# Altium PCB higgs.PcbDoc (part 2 of 25) (continued)
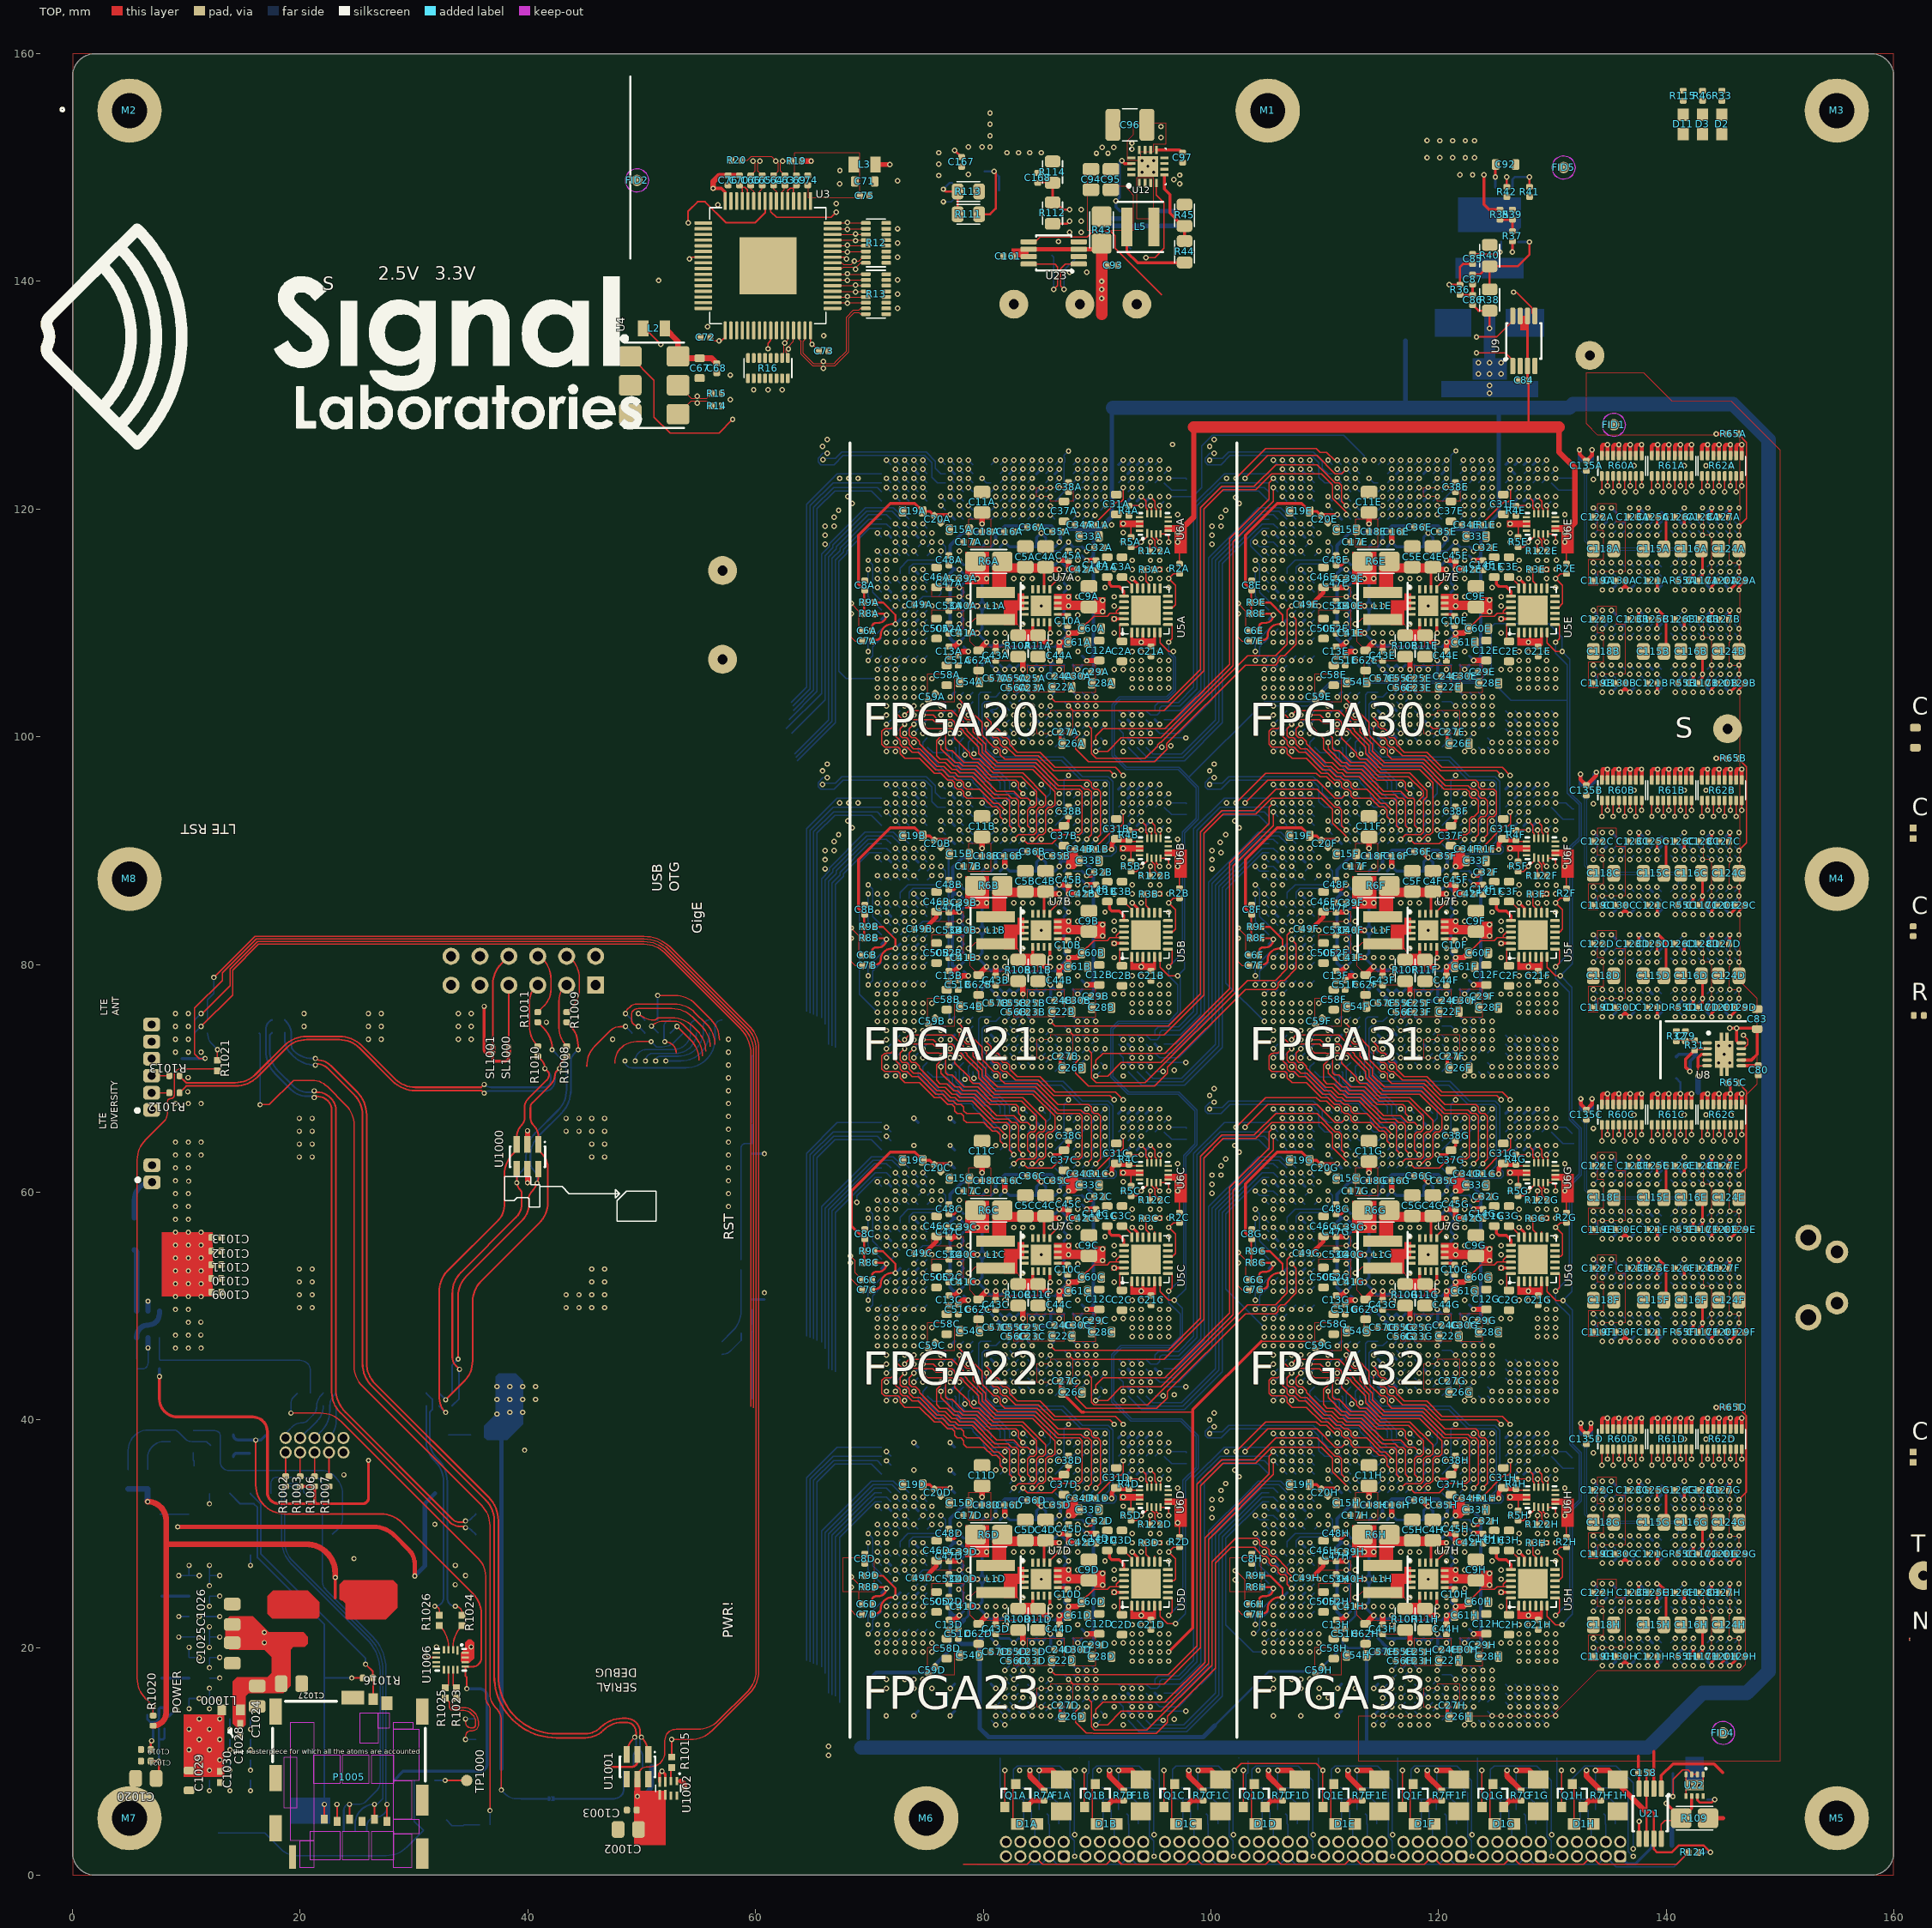
[diagram p0: TOP view]
## Classes and differential pairs (continued)
differential pair IL07_32.LR.G2.D3: +IL07_32.LR.G2.D3_P -IL07_32.LR.G2.D3_N
differential pair IL07_32.LR.G2.D4: +IL07_32.LR.G2.D4_P -IL07_32.LR.G2.D4_N
differential pair IL07_32.LR.G2.S: +IL07_32.LR.G2.S_P -IL07_32.LR.G2.S_N
differential pair IL07_32.LR.G3.D0: +IL07_32.LR.G3.D0_P -IL07_32.LR.G3.D0_N
differential pair IL07_32.LR.G3.D1: +IL07_32.LR.G3.D1_P -IL07_32.LR.G3.D1_N
differential pair IL07_32.LR.G3.D2: +IL07_32.LR.G3.D2_P -IL07_32.LR.G3.D2_N
differential pair IL07_32.LR.G3.D3: +IL07_32.LR.G3.D3_P -IL07_32.LR.G3.D3_N
differential pair IL07_32.LR.G3.D4: +IL07_32.LR.G3.D4_P -IL07_32.LR.G3.D4_N
differential pair IL07_32.LR.G3.S: +IL07_32.LR.G3.S_P -IL07_32.LR.G3.S_N
differential pair IL07_32.TB.G8.D0: +IL07_32.TB.G8.D0_P -IL07_32.TB.G8.D0_N
differential pair IL07_32.TB.G8.D1: +IL07_32.TB.G8.D1_P -IL07_32.TB.G8.D1_N
differential pair IL07_32.TB.G8.D2: +IL07_32.TB.G8.D2_P -IL07_32.TB.G8.D2_N
differential pair IL07_32.TB.G8.D3: +IL07_32.TB.G8.D3_P -IL07_32.TB.G8.D3_N
differential pair IL07_32.TB.G13.C: +IL07_32.TB.G13.C_P -IL07_32.TB.G13.C_N
differential pair IL07_32.TB.G13.D0: +IL07_32.TB.G13.D0_P -IL07_32.TB.G13.D0_N
differential pair IL07_32.TB.G13.D1: +IL07_32.TB.G13.D1_P -IL07_32.TB.G13.D1_N
differential pair IL07_32.TB.G13.D2: +IL07_32.TB.G13.D2_P -IL07_32.TB.G13.D2_N
differential pair IL07_32.TB.G13.D3: +IL07_32.TB.G13.D3_P -IL07_32.TB.G13.D3_N
differential pair IL07_32.TB.G13.D4: +IL07_32.TB.G13.D4_P -IL07_32.TB.G13.D4_N
differential pair IL07_32.TB.G13.D5: +IL07_32.TB.G13.D5_P -IL07_32.TB.G13.D5_N
differential pair IL07_33.LR.G0.D0: +IL07_33.LR.G0.D0_P -IL07_33.LR.G0.D0_N
differential pair IL07_33.LR.G0.D1: +IL07_33.LR.G0.D1_P -IL07_33.LR.G0.D1_N
differential pair IL07_33.LR.G0.D2: +IL07_33.LR.G0.D2_P -IL07_33.LR.G0.D2_N
differential pair IL07_33.LR.G0.D3: +IL07_33.LR.G0.D3_P -IL07_33.LR.G0.D3_N
differential pair IL07_33.LR.G0.D4: +IL07_33.LR.G0.D4_P -IL07_33.LR.G0.D4_N
differential pair IL07_33.LR.G0.S: +IL07_33.LR.G0.S_P -IL07_33.LR.G0.S_N
differential pair IL07_33.LR.G1.D0: +IL07_33.LR.G1.D0_P -IL07_33.LR.G1.D0_N
differential pair IL07_33.LR.G1.D1: +IL07_33.LR.G1.D1_P -IL07_33.LR.G1.D1_N
differential pair IL07_33.LR.G1.D2: +IL07_33.LR.G1.D2_P -IL07_33.LR.G1.D2_N
differential pair IL07_33.LR.G1.D3: +IL07_33.LR.G1.D3_P -IL07_33.LR.G1.D3_N
differential pair IL07_33.LR.G1.D4: +IL07_33.LR.G1.D4_P -IL07_33.LR.G1.D4_N
differential pair IL07_33.LR.G1.S: +IL07_33.LR.G1.S_P -IL07_33.LR.G1.S_N
differential pair IL07_33.LR.G2.D0: +IL07_33.LR.G2.D0_P -IL07_33.LR.G2.D0_N
differential pair IL07_33.LR.G2.D1: +IL07_33.LR.G2.D1_P -IL07_33.LR.G2.D1_N
differential pair IL07_33.LR.G2.D2: +IL07_33.LR.G2.D2_P -IL07_33.LR.G2.D2_N
differential pair IL07_33.LR.G2.D3: +IL07_33.LR.G2.D3_P -IL07_33.LR.G2.D3_N
differential pair IL07_33.LR.G2.D4: +IL07_33.LR.G2.D4_P -IL07_33.LR.G2.D4_N
differential pair IL07_33.LR.G2.S: +IL07_33.LR.G2.S_P -IL07_33.LR.G2.S_N
differential pair IL07_33.LR.G3.D0: +IL07_33.LR.G3.D0_P -IL07_33.LR.G3.D0_N
differential pair IL07_33.LR.G3.D1: +IL07_33.LR.G3.D1_P -IL07_33.LR.G3.D1_N
differential pair IL07_33.LR.G3.D2: +IL07_33.LR.G3.D2_P -IL07_33.LR.G3.D2_N
differential pair IL07_33.LR.G3.D3: +IL07_33.LR.G3.D3_P -IL07_33.LR.G3.D3_N
differential pair IL07_33.LR.G3.D4: +IL07_33.LR.G3.D4_P -IL07_33.LR.G3.D4_N
differential pair IL07_33.LR.G3.S: +IL07_33.LR.G3.S_P -IL07_33.LR.G3.S_N
differential pair IL07_33.TB.G8.D0: +IL07_33.TB.G8.D0_P -IL07_33.TB.G8.D0_N
differential pair IL07_33.TB.G8.D1: +IL07_33.TB.G8.D1_P -IL07_33.TB.G8.D1_N
differential pair IL07_33.TB.G8.D2: +IL07_33.TB.G8.D2_P -IL07_33.TB.G8.D2_N
differential pair IL07_33.TB.G8.D3: +IL07_33.TB.G8.D3_P -IL07_33.TB.G8.D3_N
differential pair IL07_33.TB.G13.C: +IL07_33.TB.G13.C_P -IL07_33.TB.G13.C_N
differential pair IL07_33.TB.G13.D0: +IL07_33.TB.G13.D0_P -IL07_33.TB.G13.D0_N
differential pair IL07_33.TB.G13.D1: +IL07_33.TB.G13.D1_P -IL07_33.TB.G13.D1_N
differential pair IL07_33.TB.G13.D2: +IL07_33.TB.G13.D2_P -IL07_33.TB.G13.D2_N
differential pair IL07_33.TB.G13.D3: +IL07_33.TB.G13.D3_P -IL07_33.TB.G13.D3_N
differential pair IL07_33.TB.G13.D4: +IL07_33.TB.G13.D4_P -IL07_33.TB.G13.D4_N
differential pair IL07_33.TB.G13.D5: +IL07_33.TB.G13.D5_P -IL07_33.TB.G13.D5_N
differential pair IL12_20.LR.G0.D0: +IL12_20.LR.G0.D0_P -IL12_20.LR.G0.D0_N
differential pair IL12_20.LR.G0.D1: +IL12_20.LR.G0.D1_P -IL12_20.LR.G0.D1_N
differential pair IL12_20.LR.G0.D2: +IL12_20.LR.G0.D2_P -IL12_20.LR.G0.D2_N
differential pair IL12_20.LR.G0.D3: +IL12_20.LR.G0.D3_P -IL12_20.LR.G0.D3_N
differential pair IL12_20.LR.G0.D4: +IL12_20.LR.G0.D4_P -IL12_20.LR.G0.D4_N
differential pair IL12_20.LR.G0.S: +IL12_20.LR.G0.S_P -IL12_20.LR.G0.S_N
differential pair IL12_20.LR.G1.D0: +IL12_20.LR.G1.D0_P -IL12_20.LR.G1.D0_N
differential pair IL12_20.LR.G1.D1: +IL12_20.LR.G1.D1_P -IL12_20.LR.G1.D1_N
differential pair IL12_20.LR.G1.D2: +IL12_20.LR.G1.D2_P -IL12_20.LR.G1.D2_N
differential pair IL12_20.LR.G1.D3: +IL12_20.LR.G1.D3_P -IL12_20.LR.G1.D3_N
differential pair IL12_20.LR.G1.D4: +IL12_20.LR.G1.D4_P -IL12_20.LR.G1.D4_N
differential pair IL12_20.LR.G1.S: +IL12_20.LR.G1.S_P -IL12_20.LR.G1.S_N
differential pair IL12_20.LR.G2.D0: +IL12_20.LR.G2.D0_P -IL12_20.LR.G2.D0_N
differential pair IL12_20.LR.G2.D1: +IL12_20.LR.G2.D1_P -IL12_20.LR.G2.D1_N
differential pair IL12_20.LR.G2.D2: +IL12_20.LR.G2.D2_P -IL12_20.LR.G2.D2_N
differential pair IL12_20.LR.G2.D3: +IL12_20.LR.G2.D3_P -IL12_20.LR.G2.D3_N
differential pair IL12_20.LR.G2.D4: +IL12_20.LR.G2.D4_P -IL12_20.LR.G2.D4_N
differential pair IL12_20.LR.G2.S: +IL12_20.LR.G2.S_P -IL12_20.LR.G2.S_N
differential pair IL12_20.LR.G3.D0: +IL12_20.LR.G3.D0_P -IL12_20.LR.G3.D0_N
differential pair IL12_20.LR.G3.D1: +IL12_20.LR.G3.D1_P -IL12_20.LR.G3.D1_N
differential pair IL12_20.LR.G3.D2: +IL12_20.LR.G3.D2_P -IL12_20.LR.G3.D2_N
differential pair IL12_20.LR.G3.D3: +IL12_20.LR.G3.D3_P -IL12_20.LR.G3.D3_N
differential pair IL12_20.LR.G3.D4: +IL12_20.LR.G3.D4_P -IL12_20.LR.G3.D4_N
differential pair IL12_20.LR.G3.S: +IL12_20.LR.G3.S_P -IL12_20.LR.G3.S_N
differential pair IL12_20.TB.G8.D0: +IL12_20.TB.G8.D0_P -IL12_20.TB.G8.D0_N
differential pair IL12_20.TB.G8.D1: +IL12_20.TB.G8.D1_P -IL12_20.TB.G8.D1_N
differential pair IL12_20.TB.G8.D2: +IL12_20.TB.G8.D2_P -IL12_20.TB.G8.D2_N
differential pair IL12_20.TB.G8.D3: +IL12_20.TB.G8.D3_P -IL12_20.TB.G8.D3_N
differential pair IL12_20.TB.G13.C: +IL12_20.TB.G13.C_P -IL12_20.TB.G13.C_N
differential pair IL12_20.TB.G13.D0: +IL12_20.TB.G13.D0_P -IL12_20.TB.G13.D0_N
differential pair IL12_20.TB.G13.D1: +IL12_20.TB.G13.D1_P -IL12_20.TB.G13.D1_N
differential pair IL12_20.TB.G13.D2: +IL12_20.TB.G13.D2_P -IL12_20.TB.G13.D2_N
differential pair IL12_20.TB.G13.D3: +IL12_20.TB.G13.D3_P -IL12_20.TB.G13.D3_N
differential pair IL12_20.TB.G13.D4: +IL12_20.TB.G13.D4_P -IL12_20.TB.G13.D4_N
differential pair IL12_20.TB.G13.D5: +IL12_20.TB.G13.D5_P -IL12_20.TB.G13.D5_N
differential pair IL12_21.LR.G0.D0: +IL12_21.LR.G0.D0_P -IL12_21.LR.G0.D0_N
differential pair IL12_21.LR.G0.D1: +IL12_21.LR.G0.D1_P -IL12_21.LR.G0.D1_N
differential pair IL12_21.LR.G0.D2: +IL12_21.LR.G0.D2_P -IL12_21.LR.G0.D2_N
differential pair IL12_21.LR.G0.D3: +IL12_21.LR.G0.D3_P -IL12_21.LR.G0.D3_N
differential pair IL12_21.LR.G0.D4: +IL12_21.LR.G0.D4_P -IL12_21.LR.G0.D4_N
differential pair IL12_21.LR.G0.S: +IL12_21.LR.G0.S_P -IL12_21.LR.G0.S_N
differential pair IL12_21.LR.G1.D0: +IL12_21.LR.G1.D0_P -IL12_21.LR.G1.D0_N
differential pair IL12_21.LR.G1.D1: +IL12_21.LR.G1.D1_P -IL12_21.LR.G1.D1_N
differential pair IL12_21.LR.G1.D2: +IL12_21.LR.G1.D2_P -IL12_21.LR.G1.D2_N
differential pair IL12_21.LR.G1.D3: +IL12_21.LR.G1.D3_P -IL12_21.LR.G1.D3_N
differential pair IL12_21.LR.G1.D4: +IL12_21.LR.G1.D4_P -IL12_21.LR.G1.D4_N
differential pair IL12_21.LR.G1.S: +IL12_21.LR.G1.S_P -IL12_21.LR.G1.S_N
differential pair IL12_21.LR.G2.D0: +IL12_21.LR.G2.D0_P -IL12_21.LR.G2.D0_N
differential pair IL12_21.LR.G2.D1: +IL12_21.LR.G2.D1_P -IL12_21.LR.G2.D1_N
differential pair IL12_21.LR.G2.D2: +IL12_21.LR.G2.D2_P -IL12_21.LR.G2.D2_N
differential pair IL12_21.LR.G2.D3: +IL12_21.LR.G2.D3_P -IL12_21.LR.G2.D3_N
differential pair IL12_21.LR.G2.D4: +IL12_21.LR.G2.D4_P -IL12_21.LR.G2.D4_N
differential pair IL12_21.LR.G2.S: +IL12_21.LR.G2.S_P -IL12_21.LR.G2.S_N
differential pair IL12_21.LR.G3.D0: +IL12_21.LR.G3.D0_P -IL12_21.LR.G3.D0_N
differential pair IL12_21.LR.G3.D1: +IL12_21.LR.G3.D1_P -IL12_21.LR.G3.D1_N
differential pair IL12_21.LR.G3.D2: +IL12_21.LR.G3.D2_P -IL12_21.LR.G3.D2_N
differential pair IL12_21.LR.G3.D3: +IL12_21.LR.G3.D3_P -IL12_21.LR.G3.D3_N
differential pair IL12_21.LR.G3.D4: +IL12_21.LR.G3.D4_P -IL12_21.LR.G3.D4_N
differential pair IL12_21.LR.G3.S: +IL12_21.LR.G3.S_P -IL12_21.LR.G3.S_N
differential pair IL12_21.TB.G8.D0: +IL12_21.TB.G8.D0_P -IL12_21.TB.G8.D0_N
differential pair IL12_21.TB.G8.D1: +IL12_21.TB.G8.D1_P -IL12_21.TB.G8.D1_N
differential pair IL12_21.TB.G8.D2: +IL12_21.TB.G8.D2_P -IL12_21.TB.G8.D2_N
differential pair IL12_21.TB.G8.D3: +IL12_21.TB.G8.D3_P -IL12_21.TB.G8.D3_N
differential pair IL12_21.TB.G13.C: +IL12_21.TB.G13.C_P -IL12_21.TB.G13.C_N
differential pair IL12_21.TB.G13.D0: +IL12_21.TB.G13.D0_P -IL12_21.TB.G13.D0_N
differential pair IL12_21.TB.G13.D1: +IL12_21.TB.G13.D1_P -IL12_21.TB.G13.D1_N
differential pair IL12_21.TB.G13.D2: +IL12_21.TB.G13.D2_P -IL12_21.TB.G13.D2_N
differential pair IL12_21.TB.G13.D3: +IL12_21.TB.G13.D3_P -IL12_21.TB.G13.D3_N
differential pair IL12_21.TB.G13.D4: +IL12_21.TB.G13.D4_P -IL12_21.TB.G13.D4_N
differential pair IL12_21.TB.G13.D5: +IL12_21.TB.G13.D5_P -IL12_21.TB.G13.D5_N
differential pair IL12_22.LR.G0.D0: +IL12_22.LR.G0.D0_P -IL12_22.LR.G0.D0_N
differential pair IL12_22.LR.G0.D1: +IL12_22.LR.G0.D1_P -IL12_22.LR.G0.D1_N
differential pair IL12_22.LR.G0.D2: +IL12_22.LR.G0.D2_P -IL12_22.LR.G0.D2_N
differential pair IL12_22.LR.G0.D3: +IL12_22.LR.G0.D3_P -IL12_22.LR.G0.D3_N
differential pair IL12_22.LR.G0.D4: +IL12_22.LR.G0.D4_P -IL12_22.LR.G0.D4_N
differential pair IL12_22.LR.G0.S: +IL12_22.LR.G0.S_P -IL12_22.LR.G0.S_N
differential pair IL12_22.LR.G1.D0: +IL12_22.LR.G1.D0_P -IL12_22.LR.G1.D0_N
differential pair IL12_22.LR.G1.D1: +IL12_22.LR.G1.D1_P -IL12_22.LR.G1.D1_N
differential pair IL12_22.LR.G1.D2: +IL12_22.LR.G1.D2_P -IL12_22.LR.G1.D2_N
differential pair IL12_22.LR.G1.D3: +IL12_22.LR.G1.D3_P -IL12_22.LR.G1.D3_N
differential pair IL12_22.LR.G1.D4: +IL12_22.LR.G1.D4_P -IL12_22.LR.G1.D4_N
differential pair IL12_22.LR.G1.S: +IL12_22.LR.G1.S_P -IL12_22.LR.G1.S_N
differential pair IL12_22.LR.G2.D0: +IL12_22.LR.G2.D0_P -IL12_22.LR.G2.D0_N
differential pair IL12_22.LR.G2.D1: +IL12_22.LR.G2.D1_P -IL12_22.LR.G2.D1_N
differential pair IL12_22.LR.G2.D2: +IL12_22.LR.G2.D2_P -IL12_22.LR.G2.D2_N
differential pair IL12_22.LR.G2.D3: +IL12_22.LR.G2.D3_P -IL12_22.LR.G2.D3_N
differential pair IL12_22.LR.G2.D4: +IL12_22.LR.G2.D4_P -IL12_22.LR.G2.D4_N
differential pair IL12_22.LR.G2.S: +IL12_22.LR.G2.S_P -IL12_22.LR.G2.S_N
differential pair IL12_22.LR.G3.D0: +IL12_22.LR.G3.D0_P -IL12_22.LR.G3.D0_N
differential pair IL12_22.LR.G3.D1: +IL12_22.LR.G3.D1_P -IL12_22.LR.G3.D1_N
differential pair IL12_22.LR.G3.D2: +IL12_22.LR.G3.D2_P -IL12_22.LR.G3.D2_N
differential pair IL12_22.LR.G3.D3: +IL12_22.LR.G3.D3_P -IL12_22.LR.G3.D3_N
differential pair IL12_22.LR.G3.D4: +IL12_22.LR.G3.D4_P -IL12_22.LR.G3.D4_N
differential pair IL12_22.LR.G3.S: +IL12_22.LR.G3.S_P -IL12_22.LR.G3.S_N
differential pair IL12_22.TB.G8.D0: +IL12_22.TB.G8.D0_P -IL12_22.TB.G8.D0_N
differential pair IL12_22.TB.G8.D1: +IL12_22.TB.G8.D1_P -IL12_22.TB.G8.D1_N
differential pair IL12_22.TB.G8.D2: +IL12_22.TB.G8.D2_P -IL12_22.TB.G8.D2_N
differential pair IL12_22.TB.G8.D3: +IL12_22.TB.G8.D3_P -IL12_22.TB.G8.D3_N
differential pair IL12_22.TB.G13.C: +IL12_22.TB.G13.C_P -IL12_22.TB.G13.C_N
differential pair IL12_22.TB.G13.D0: +IL12_22.TB.G13.D0_P -IL12_22.TB.G13.D0_N
differential pair IL12_22.TB.G13.D1: +IL12_22.TB.G13.D1_P -IL12_22.TB.G13.D1_N
differential pair IL12_22.TB.G13.D2: +IL12_22.TB.G13.D2_P -IL12_22.TB.G13.D2_N
differential pair IL12_22.TB.G13.D3: +IL12_22.TB.G13.D3_P -IL12_22.TB.G13.D3_N
differential pair IL12_22.TB.G13.D4: +IL12_22.TB.G13.D4_P -IL12_22.TB.G13.D4_N
differential pair IL12_22.TB.G13.D5: +IL12_22.TB.G13.D5_P -IL12_22.TB.G13.D5_N
differential pair IL12_30.LR.G0.D0: +IL12_30.LR.G0.D0_P -IL12_30.LR.G0.D0_N
differential pair IL12_30.LR.G0.D1: +IL12_30.LR.G0.D1_P -IL12_30.LR.G0.D1_N
differential pair IL12_30.LR.G0.D2: +IL12_30.LR.G0.D2_P -IL12_30.LR.G0.D2_N
differential pair IL12_30.LR.G0.D3: +IL12_30.LR.G0.D3_P -IL12_30.LR.G0.D3_N
differential pair IL12_30.LR.G0.D4: +IL12_30.LR.G0.D4_P -IL12_30.LR.G0.D4_N
differential pair IL12_30.LR.G0.S: +IL12_30.LR.G0.S_P -IL12_30.LR.G0.S_N
differential pair IL12_30.LR.G1.D0: +IL12_30.LR.G1.D0_P -IL12_30.LR.G1.D0_N
differential pair IL12_30.LR.G1.D1: +IL12_30.LR.G1.D1_P -IL12_30.LR.G1.D1_N
differential pair IL12_30.LR.G1.D2: +IL12_30.LR.G1.D2_P -IL12_30.LR.G1.D2_N
differential pair IL12_30.LR.G1.D3: +IL12_30.LR.G1.D3_P -IL12_30.LR.G1.D3_N
differential pair IL12_30.LR.G1.D4: +IL12_30.LR.G1.D4_P -IL12_30.LR.G1.D4_N
differential pair IL12_30.LR.G1.S: +IL12_30.LR.G1.S_P -IL12_30.LR.G1.S_N
differential pair IL12_30.LR.G2.D0: +IL12_30.LR.G2.D0_P -IL12_30.LR.G2.D0_N
differential pair IL12_30.LR.G2.D1: +IL12_30.LR.G2.D1_P -IL12_30.LR.G2.D1_N
differential pair IL12_30.LR.G2.D2: +IL12_30.LR.G2.D2_P -IL12_30.LR.G2.D2_N
differential pair IL12_30.LR.G2.D3: +IL12_30.LR.G2.D3_P -IL12_30.LR.G2.D3_N
differential pair IL12_30.LR.G2.D4: +IL12_30.LR.G2.D4_P -IL12_30.LR.G2.D4_N
differential pair IL12_30.LR.G2.S: +IL12_30.LR.G2.S_P -IL12_30.LR.G2.S_N
differential pair IL12_30.LR.G3.D0: +IL12_30.LR.G3.D0_P -IL12_30.LR.G3.D0_N
differential pair IL12_30.LR.G3.D1: +IL12_30.LR.G3.D1_P -IL12_30.LR.G3.D1_N
differential pair IL12_30.LR.G3.D2: +IL12_30.LR.G3.D2_P -IL12_30.LR.G3.D2_N
differential pair IL12_30.LR.G3.D3: +IL12_30.LR.G3.D3_P -IL12_30.LR.G3.D3_N
differential pair IL12_30.LR.G3.D4: +IL12_30.LR.G3.D4_P -IL12_30.LR.G3.D4_N
differential pair IL12_30.LR.G3.S: +IL12_30.LR.G3.S_P -IL12_30.LR.G3.S_N
differential pair IL12_30.TB.G8.D0: +IL12_30.TB.G8.D0_P -IL12_30.TB.G8.D0_N
differential pair IL12_30.TB.G8.D1: +IL12_30.TB.G8.D1_P -IL12_30.TB.G8.D1_N
differential pair IL12_30.TB.G8.D2: +IL12_30.TB.G8.D2_P -IL12_30.TB.G8.D2_N
differential pair IL12_30.TB.G8.D3: +IL12_30.TB.G8.D3_P -IL12_30.TB.G8.D3_N
differential pair IL12_30.TB.G13.C: +IL12_30.TB.G13.C_P -IL12_30.TB.G13.C_N
differential pair IL12_30.TB.G13.D0: +IL12_30.TB.G13.D0_P -IL12_30.TB.G13.D0_N
differential pair IL12_30.TB.G13.D1: +IL12_30.TB.G13.D1_P -IL12_30.TB.G13.D1_N
differential pair IL12_30.TB.G13.D2: +IL12_30.TB.G13.D2_P -IL12_30.TB.G13.D2_N
differential pair IL12_30.TB.G13.D3: +IL12_30.TB.G13.D3_P -IL12_30.TB.G13.D3_N
differential pair IL12_30.TB.G13.D4: +IL12_30.TB.G13.D4_P -IL12_30.TB.G13.D4_N
differential pair IL12_30.TB.G13.D5: +IL12_30.TB.G13.D5_P -IL12_30.TB.G13.D5_N
differential pair IL12_31.LR.G0.D0: +IL12_31.LR.G0.D0_P -IL12_31.LR.G0.D0_N
differential pair IL12_31.LR.G0.D1: +IL12_31.LR.G0.D1_P -IL12_31.LR.G0.D1_N
differential pair IL12_31.LR.G0.D2: +IL12_31.LR.G0.D2_P -IL12_31.LR.G0.D2_N
differential pair IL12_31.LR.G0.D3: +IL12_31.LR.G0.D3_P -IL12_31.LR.G0.D3_N
differential pair IL12_31.LR.G0.D4: +IL12_31.LR.G0.D4_P -IL12_31.LR.G0.D4_N
differential pair IL12_31.LR.G0.S: +IL12_31.LR.G0.S_P -IL12_31.LR.G0.S_N
differential pair IL12_31.LR.G1.D0: +IL12_31.LR.G1.D0_P -IL12_31.LR.G1.D0_N
differential pair IL12_31.LR.G1.D1: +IL12_31.LR.G1.D1_P -IL12_31.LR.G1.D1_N
differential pair IL12_31.LR.G1.D2: +IL12_31.LR.G1.D2_P -IL12_31.LR.G1.D2_N
differential pair IL12_31.LR.G1.D3: +IL12_31.LR.G1.D3_P -IL12_31.LR.G1.D3_N
differential pair IL12_31.LR.G1.D4: +IL12_31.LR.G1.D4_P -IL12_31.LR.G1.D4_N
differential pair IL12_31.LR.G1.S: +IL12_31.LR.G1.S_P -IL12_31.LR.G1.S_N
differential pair IL12_31.LR.G2.D0: +IL12_31.LR.G2.D0_P -IL12_31.LR.G2.D0_N
differential pair IL12_31.LR.G2.D1: +IL12_31.LR.G2.D1_P -IL12_31.LR.G2.D1_N
differential pair IL12_31.LR.G2.D2: +IL12_31.LR.G2.D2_P -IL12_31.LR.G2.D2_N
differential pair IL12_31.LR.G2.D3: +IL12_31.LR.G2.D3_P -IL12_31.LR.G2.D3_N
differential pair IL12_31.LR.G2.D4: +IL12_31.LR.G2.D4_P -IL12_31.LR.G2.D4_N
differential pair IL12_31.LR.G2.S: +IL12_31.LR.G2.S_P -IL12_31.LR.G2.S_N
differential pair IL12_31.LR.G3.D0: +IL12_31.LR.G3.D0_P -IL12_31.LR.G3.D0_N
differential pair IL12_31.LR.G3.D1: +IL12_31.LR.G3.D1_P -IL12_31.LR.G3.D1_N
differential pair IL12_31.LR.G3.D2: +IL12_31.LR.G3.D2_P -IL12_31.LR.G3.D2_N
differential pair IL12_31.LR.G3.D3: +IL12_31.LR.G3.D3_P -IL12_31.LR.G3.D3_N
differential pair IL12_31.LR.G3.D4: +IL12_31.LR.G3.D4_P -IL12_31.LR.G3.D4_N
differential pair IL12_31.LR.G3.S: +IL12_31.LR.G3.S_P -IL12_31.LR.G3.S_N
differential pair IL12_31.TB.G8.D0: +IL12_31.TB.G8.D0_P -IL12_31.TB.G8.D0_N
differential pair IL12_31.TB.G8.D1: +IL12_31.TB.G8.D1_P -IL12_31.TB.G8.D1_N
differential pair IL12_31.TB.G8.D2: +IL12_31.TB.G8.D2_P -IL12_31.TB.G8.D2_N
differential pair IL12_31.TB.G8.D3: +IL12_31.TB.G8.D3_P -IL12_31.TB.G8.D3_N
differential pair IL12_31.TB.G13.C: +IL12_31.TB.G13.C_P -IL12_31.TB.G13.C_N
differential pair IL12_31.TB.G13.D0: +IL12_31.TB.G13.D0_P -IL12_31.TB.G13.D0_N
differential pair IL12_31.TB.G13.D1: +IL12_31.TB.G13.D1_P -IL12_31.TB.G13.D1_N
differential pair IL12_31.TB.G13.D2: +IL12_31.TB.G13.D2_P -IL12_31.TB.G13.D2_N
differential pair IL12_31.TB.G13.D3: +IL12_31.TB.G13.D3_P -IL12_31.TB.G13.D3_N
differential pair IL12_31.TB.G13.D4: +IL12_31.TB.G13.D4_P -IL12_31.TB.G13.D4_N
differential pair IL12_31.TB.G13.D5: +IL12_31.TB.G13.D5_P -IL12_31.TB.G13.D5_N
differential pair IL12_32.LR.G0.D0: +IL12_32.LR.G0.D0_P -IL12_32.LR.G0.D0_N
differential pair IL12_32.LR.G0.D1: +IL12_32.LR.G0.D1_P -IL12_32.LR.G0.D1_N
differential pair IL12_32.LR.G0.D2: +IL12_32.LR.G0.D2_P -IL12_32.LR.G0.D2_N
differential pair IL12_32.LR.G0.D3: +IL12_32.LR.G0.D3_P -IL12_32.LR.G0.D3_N
differential pair IL12_32.LR.G0.D4: +IL12_32.LR.G0.D4_P -IL12_32.LR.G0.D4_N
differential pair IL12_32.LR.G0.S: +IL12_32.LR.G0.S_P -IL12_32.LR.G0.S_N
differential pair IL12_32.LR.G1.D0: +IL12_32.LR.G1.D0_P -IL12_32.LR.G1.D0_N
differential pair IL12_32.LR.G1.D1: +IL12_32.LR.G1.D1_P -IL12_32.LR.G1.D1_N
differential pair IL12_32.LR.G1.D2: +IL12_32.LR.G1.D2_P -IL12_32.LR.G1.D2_N
differential pair IL12_32.LR.G1.D3: +IL12_32.LR.G1.D3_P -IL12_32.LR.G1.D3_N
differential pair IL12_32.LR.G1.D4: +IL12_32.LR.G1.D4_P -IL12_32.LR.G1.D4_N
differential pair IL12_32.LR.G1.S: +IL12_32.LR.G1.S_P -IL12_32.LR.G1.S_N
differential pair IL12_32.LR.G2.D0: +IL12_32.LR.G2.D0_P -IL12_32.LR.G2.D0_N
differential pair IL12_32.LR.G2.D1: +IL12_32.LR.G2.D1_P -IL12_32.LR.G2.D1_N
differential pair IL12_32.LR.G2.D2: +IL12_32.LR.G2.D2_P -IL12_32.LR.G2.D2_N
differential pair IL12_32.LR.G2.D3: +IL12_32.LR.G2.D3_P -IL12_32.LR.G2.D3_N
differential pair IL12_32.LR.G2.D4: +IL12_32.LR.G2.D4_P -IL12_32.LR.G2.D4_N
differential pair IL12_32.LR.G2.S: +IL12_32.LR.G2.S_P -IL12_32.LR.G2.S_N
differential pair IL12_32.LR.G3.D0: +IL12_32.LR.G3.D0_P -IL12_32.LR.G3.D0_N
differential pair IL12_32.LR.G3.D1: +IL12_32.LR.G3.D1_P -IL12_32.LR.G3.D1_N
differential pair IL12_32.LR.G3.D2: +IL12_32.LR.G3.D2_P -IL12_32.LR.G3.D2_N
differential pair IL12_32.LR.G3.D3: +IL12_32.LR.G3.D3_P -IL12_32.LR.G3.D3_N
differential pair IL12_32.LR.G3.D4: +IL12_32.LR.G3.D4_P -IL12_32.LR.G3.D4_N
differential pair IL12_32.LR.G3.S: +IL12_32.LR.G3.S_P -IL12_32.LR.G3.S_N
differential pair IL12_32.TB.G8.D0: +IL12_32.TB.G8.D0_P -IL12_32.TB.G8.D0_N
differential pair IL12_32.TB.G8.D1: +IL12_32.TB.G8.D1_P -IL12_32.TB.G8.D1_N
differential pair IL12_32.TB.G8.D2: +IL12_32.TB.G8.D2_P -IL12_32.TB.G8.D2_N
differential pair IL12_32.TB.G8.D3: +IL12_32.TB.G8.D3_P -IL12_32.TB.G8.D3_N
differential pair IL12_32.TB.G13.C: +IL12_32.TB.G13.C_P -IL12_32.TB.G13.C_N
differential pair IL12_32.TB.G13.D0: +IL12_32.TB.G13.D0_P -IL12_32.TB.G13.D0_N
differential pair IL12_32.TB.G13.D1: +IL12_32.TB.G13.D1_P -IL12_32.TB.G13.D1_N
differential pair IL12_32.TB.G13.D2: +IL12_32.TB.G13.D2_P -IL12_32.TB.G13.D2_N
differential pair IL12_32.TB.G13.D3: +IL12_32.TB.G13.D3_P -IL12_32.TB.G13.D3_N
differential pair IL12_32.TB.G13.D4: +IL12_32.TB.G13.D4_P -IL12_32.TB.G13.D4_N
differential pair IL12_32.TB.G13.D5: +IL12_32.TB.G13.D5_P -IL12_32.TB.G13.D5_N
differential pair IL34_30.LR.G0.S: +IL34_30.LR.G0.S_P -IL34_30.LR.G0.S_N
differential pair IL34_30.LR.G1.S: +IL34_30.LR.G1.S_P -IL34_30.LR.G1.S_N
differential pair IL34_30.LR.G2.S: +IL34_30.LR.G2.S_P -IL34_30.LR.G2.S_N
differential pair IL34_30.LR.G3.S: +IL34_30.LR.G3.S_P -IL34_30.LR.G3.S_N
differential pair IL34_30.TB.G13.C: +IL34_30.TB.G13.C_P -IL34_30.TB.G13.C_N
differential pair IL34_31.LR.G0.S: +IL34_31.LR.G0.S_P -IL34_31.LR.G0.S_N
differential pair IL34_31.LR.G1.S: +IL34_31.LR.G1.S_P -IL34_31.LR.G1.S_N
differential pair IL34_31.LR.G2.S: +IL34_31.LR.G2.S_P -IL34_31.LR.G2.S_N
differential pair IL34_31.LR.G3.S: +IL34_31.LR.G3.S_P -IL34_31.LR.G3.S_N
differential pair IL34_31.TB.G13.C: +IL34_31.TB.G13.C_P -IL34_31.TB.G13.C_N
differential pair IL34_32.LR.G0.S: +IL34_32.LR.G0.S_P -IL34_32.LR.G0.S_N
differential pair IL34_32.LR.G1.S: +IL34_32.LR.G1.S_P -IL34_32.LR.G1.S_N
differential pair IL34_32.LR.G2.S: +IL34_32.LR.G2.S_P -IL34_32.LR.G2.S_N
differential pair IL34_32.LR.G3.S: +IL34_32.LR.G3.S_P -IL34_32.LR.G3.S_N
differential pair IL34_32.TB.G13.C: +IL34_32.TB.G13.C_P -IL34_32.TB.G13.C_N
differential pair IL34_33.LR.G0.S: +IL34_33.LR.G0.S_P -IL34_33.LR.G0.S_N
differential pair IL34_33.LR.G1.S: +IL34_33.LR.G1.S_P -IL34_33.LR.G1.S_N
differential pair IL34_33.LR.G2.S: +IL34_33.LR.G2.S_P -IL34_33.LR.G2.S_N
differential pair IL34_33.LR.G3.S: +IL34_33.LR.G3.S_P -IL34_33.LR.G3.S_N
differential pair IL34_33.TB.G13.C: +IL34_33.TB.G13.C_P -IL34_33.TB.G13.C_N

## Components (designator, comment, footprint, x,y, rotation, side; value= is the part's Value field where it differs from the comment)
C1A "C1608X7R1A225M080" CAPC160X80X90L20N 90.9,114.9 r270 top value=2.2uF (schematic designator C1)
C1B "C1608X7R1A225M080" CAPC160X80X90L20N 90.9,86.4 r270 top value=2.2uF (schematic designator C1)
C1C "C1608X7R1A225M080" CAPC160X80X90L20N 90.9,57.9 r270 top value=2.2uF (schematic designator C1)
C1D "C1608X7R1A225M080" CAPC160X80X90L20N 90.9,29.4 r270 top value=2.2uF (schematic designator C1)
C1E "C1608X7R1A225M080" CAPC160X80X90L20N 124.9,114.9 r270 top value=2.2uF (schematic designator C1)
C1F "C1608X7R1A225M080" CAPC160X80X90L20N 124.9,86.4 r270 top value=2.2uF (schematic designator C1)
C1G "C1608X7R1A225M080" CAPC160X80X90L20N 124.9,57.9 r270 top value=2.2uF (schematic designator C1)
C1H "C1608X7R1A225M080" CAPC160X80X90L20N 124.9,29.4 r270 top value=2.2uF (schematic designator C1)
C2A "C1608X7R1A225M080" CAPC160X80X90L20N 92.2,107.5 r90 top value=2.2uF (schematic designator C2)
C2B "C1608X7R1A225M080" CAPC160X80X90L20N 92.2,79 r90 top value=2.2uF (schematic designator C2)
C2C "C1608X7R1A225M080" CAPC160X80X90L20N 92.2,50.5 r90 top value=2.2uF (schematic designator C2)
C2D "C1608X7R1A225M080" CAPC160X80X90L20N 92.2,22 r90 top value=2.2uF (schematic designator C2)
C2E "C1608X7R1A225M080" CAPC160X80X90L20N 126.2,107.5 r90 top value=2.2uF (schematic designator C2)
C2F "C1608X7R1A225M080" CAPC160X80X90L20N 126.2,79 r90 top value=2.2uF (schematic designator C2)
C2G "C1608X7R1A225M080" CAPC160X80X90L20N 126.2,50.5 r90 top value=2.2uF (schematic designator C2)
C2H "C1608X7R1A225M080" CAPC160X80X90L20N 126.2,22 r90 top value=2.2uF (schematic designator C2)
C3A "C1608X7R1A225M080" CAPC160X80X90L20N 92.2,114.9 r270 top value=2.2uF (schematic designator C3)
C3B "C1608X7R1A225M080" CAPC160X80X90L20N 92.2,86.4 r270 top value=2.2uF (schematic designator C3)
C3C "C1608X7R1A225M080" CAPC160X80X90L20N 92.2,57.9 r270 top value=2.2uF (schematic designator C3)
C3D "C1608X7R1A225M080" CAPC160X80X90L20N 92.2,29.4 r270 top value=2.2uF (schematic designator C3)
C3E "C1608X7R1A225M080" CAPC160X80X90L20N 126.2,114.9 r270 top value=2.2uF (schematic designator C3)
C3F "C1608X7R1A225M080" CAPC160X80X90L20N 126.2,86.4 r270 top value=2.2uF (schematic designator C3)
C3G "C1608X7R1A225M080" CAPC160X80X90L20N 126.2,57.9 r270 top value=2.2uF (schematic designator C3)
C3H "C1608X7R1A225M080" CAPC160X80X90L20N 126.2,29.4 r270 top value=2.2uF (schematic designator C3)
C4A "C2012X7S1A226M125" CAPC200X125X145L45N 85.5,115.8 r270 top value=22uF (schematic designator C4)
C4B "C2012X7S1A226M125" CAPC200X125X145L45N 85.5,87.3 r270 top value=22uF (schematic designator C4)
C4C "C2012X7S1A226M125" CAPC200X125X145L45N 85.5,58.8 r270 top value=22uF (schematic designator C4)
C4D "C2012X7S1A226M125" CAPC200X125X145L45N 85.5,30.3 r270 top value=22uF (schematic designator C4)
C4E "C2012X7S1A226M125" CAPC200X125X145L45N 119.5,115.8 r270 top value=22uF (schematic designator C4)
C4F "C2012X7S1A226M125" CAPC200X125X145L45N 119.5,87.3 r270 top value=22uF (schematic designator C4)
C4G "C2012X7S1A226M125" CAPC200X125X145L45N 119.5,58.8 r270 top value=22uF (schematic designator C4)
C4H "C2012X7S1A226M125" CAPC200X125X145L45N 119.5,30.3 r270 top value=22uF (schematic designator C4)
C5A "C2012X7S1A226M125" CAPC200X125X145L45N 83.7,115.8 r270 top value=22uF (schematic designator C5)
C5B "C2012X7S1A226M125" CAPC200X125X145L45N 83.7,87.3 r270 top value=22uF (schematic designator C5)
C5C "C2012X7S1A226M125" CAPC200X125X145L45N 83.7,58.8 r270 top value=22uF (schematic designator C5)
C5D "C2012X7S1A226M125" CAPC200X125X145L45N 83.7,30.3 r270 top value=22uF (schematic designator C5)
C5E "C2012X7S1A226M125" CAPC200X125X145L45N 117.7,115.8 r270 top value=22uF (schematic designator C5)
C5F "C2012X7S1A226M125" CAPC200X125X145L45N 117.7,87.3 r270 top value=22uF (schematic designator C5)
C5G "C2012X7S1A226M125" CAPC200X125X145L45N 117.7,58.8 r270 top value=22uF (schematic designator C5)
C5H "C2012X7S1A226M125" CAPC200X125X145L45N 117.7,30.3 r270 top value=22uF (schematic designator C5)
C6A "GCM155R71H104KE02" CAPC100X50X55L25N 69.8,109.3 r180 top value=100nF (schematic designator C6)
C6B "GCM155R71H104KE02" CAPC100X50X55L25N 69.8,80.8 r180 top value=100nF (schematic designator C6)
C6C "GCM155R71H104KE02" CAPC100X50X55L25N 69.8,52.3 r180 top value=100nF (schematic designator C6)
C6D "GCM155R71H104KE02" CAPC100X50X55L25N 69.8,23.8 r180 top value=100nF (schematic designator C6)
C6E "GCM155R71H104KE02" CAPC100X50X55L25N 103.8,109.3 r180 top value=100nF (schematic designator C6)
C6F "GCM155R71H104KE02" CAPC100X50X55L25N 103.8,80.8 r180 top value=100nF (schematic designator C6)
C6G "GCM155R71H104KE02" CAPC100X50X55L25N 103.8,52.3 r180 top value=100nF (schematic designator C6)
C6H "GCM155R71H104KE02" CAPC100X50X55L25N 103.8,23.8 r180 top value=100nF (schematic designator C6)
C7A "GCM155R71H104KE02" CAPC100X50X55L25N 69.8,108.4 r180 top value=100nF (schematic designator C7)
C7B "GCM155R71H104KE02" CAPC100X50X55L25N 69.8,79.9 r180 top value=100nF (schematic designator C7)
C7C "GCM155R71H104KE02" CAPC100X50X55L25N 69.8,51.4 r180 top value=100nF (schematic designator C7)
C7D "GCM155R71H104KE02" CAPC100X50X55L25N 69.8,22.9 r180 top value=100nF (schematic designator C7)
C7E "GCM155R71H104KE02" CAPC100X50X55L25N 103.8,108.4 r180 top value=100nF (schematic designator C7)
C7F "GCM155R71H104KE02" CAPC100X50X55L25N 103.8,79.9 r180 top value=100nF (schematic designator C7)
C7G "GCM155R71H104KE02" CAPC100X50X55L25N 103.8,51.4 r180 top value=100nF (schematic designator C7)
C7H "GCM155R71H104KE02" CAPC100X50X55L25N 103.8,22.9 r180 top value=100nF (schematic designator C7)
C8A "GCM155R71H104KE02" CAPC100X50X55L25N 69.6,113.3 r270 top value=100nF (schematic designator C8)
C8B "GCM155R71H104KE02" CAPC100X50X55L25N 69.6,84.8 r270 top value=100nF (schematic designator C8)
C8C "GCM155R71H104KE02" CAPC100X50X55L25N 69.6,56.3 r270 top value=100nF (schematic designator C8)
C8D "GCM155R71H104KE02" CAPC100X50X55L25N 69.6,27.8 r270 top value=100nF (schematic designator C8)